# Altium PCB RevA2.PcbDoc (part 1 of 6)
Units mm, origin at the board's own origin, x right, y up, seen from the top; angles counter-clockwise.
Board outline 173 x 171 mm, 2 copper layers (Top Layer, Top, Bottom Layer, Bottom); 316 components, 437 nets, 1976 pads, 936 vias.
Unrouted connection lines stored in the file: 219.
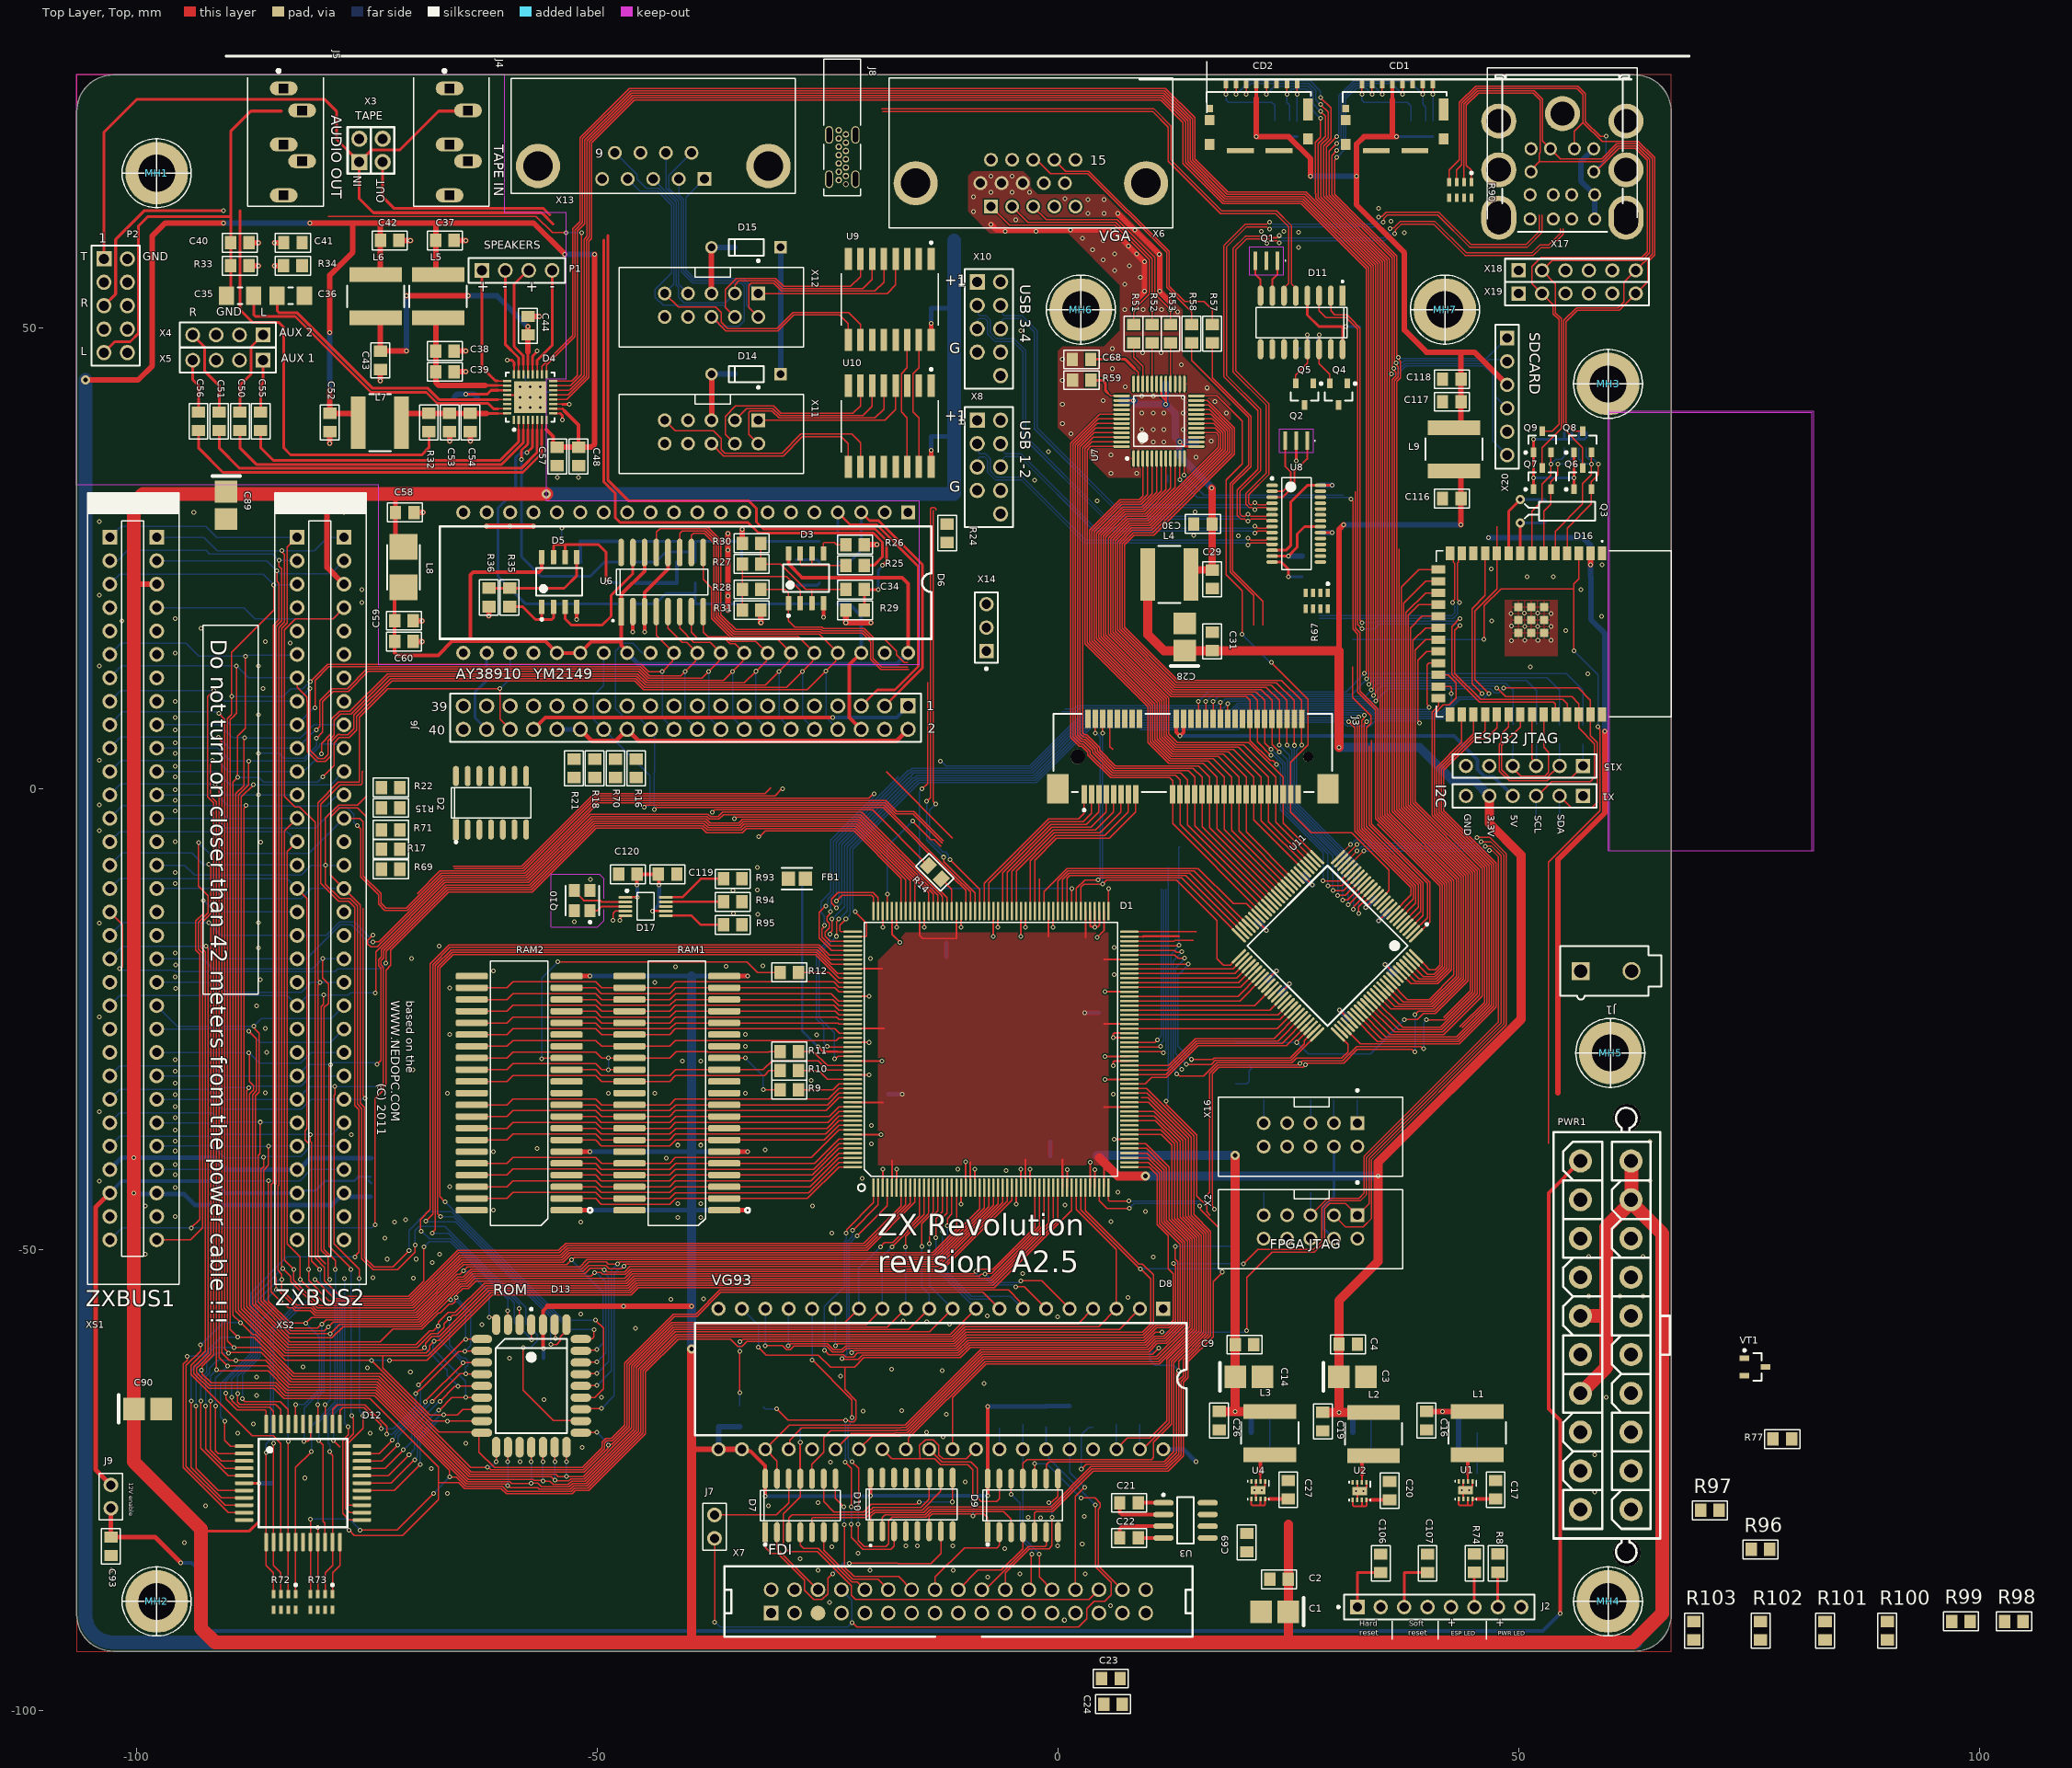
[diagram p0: Top Layer, Top view]
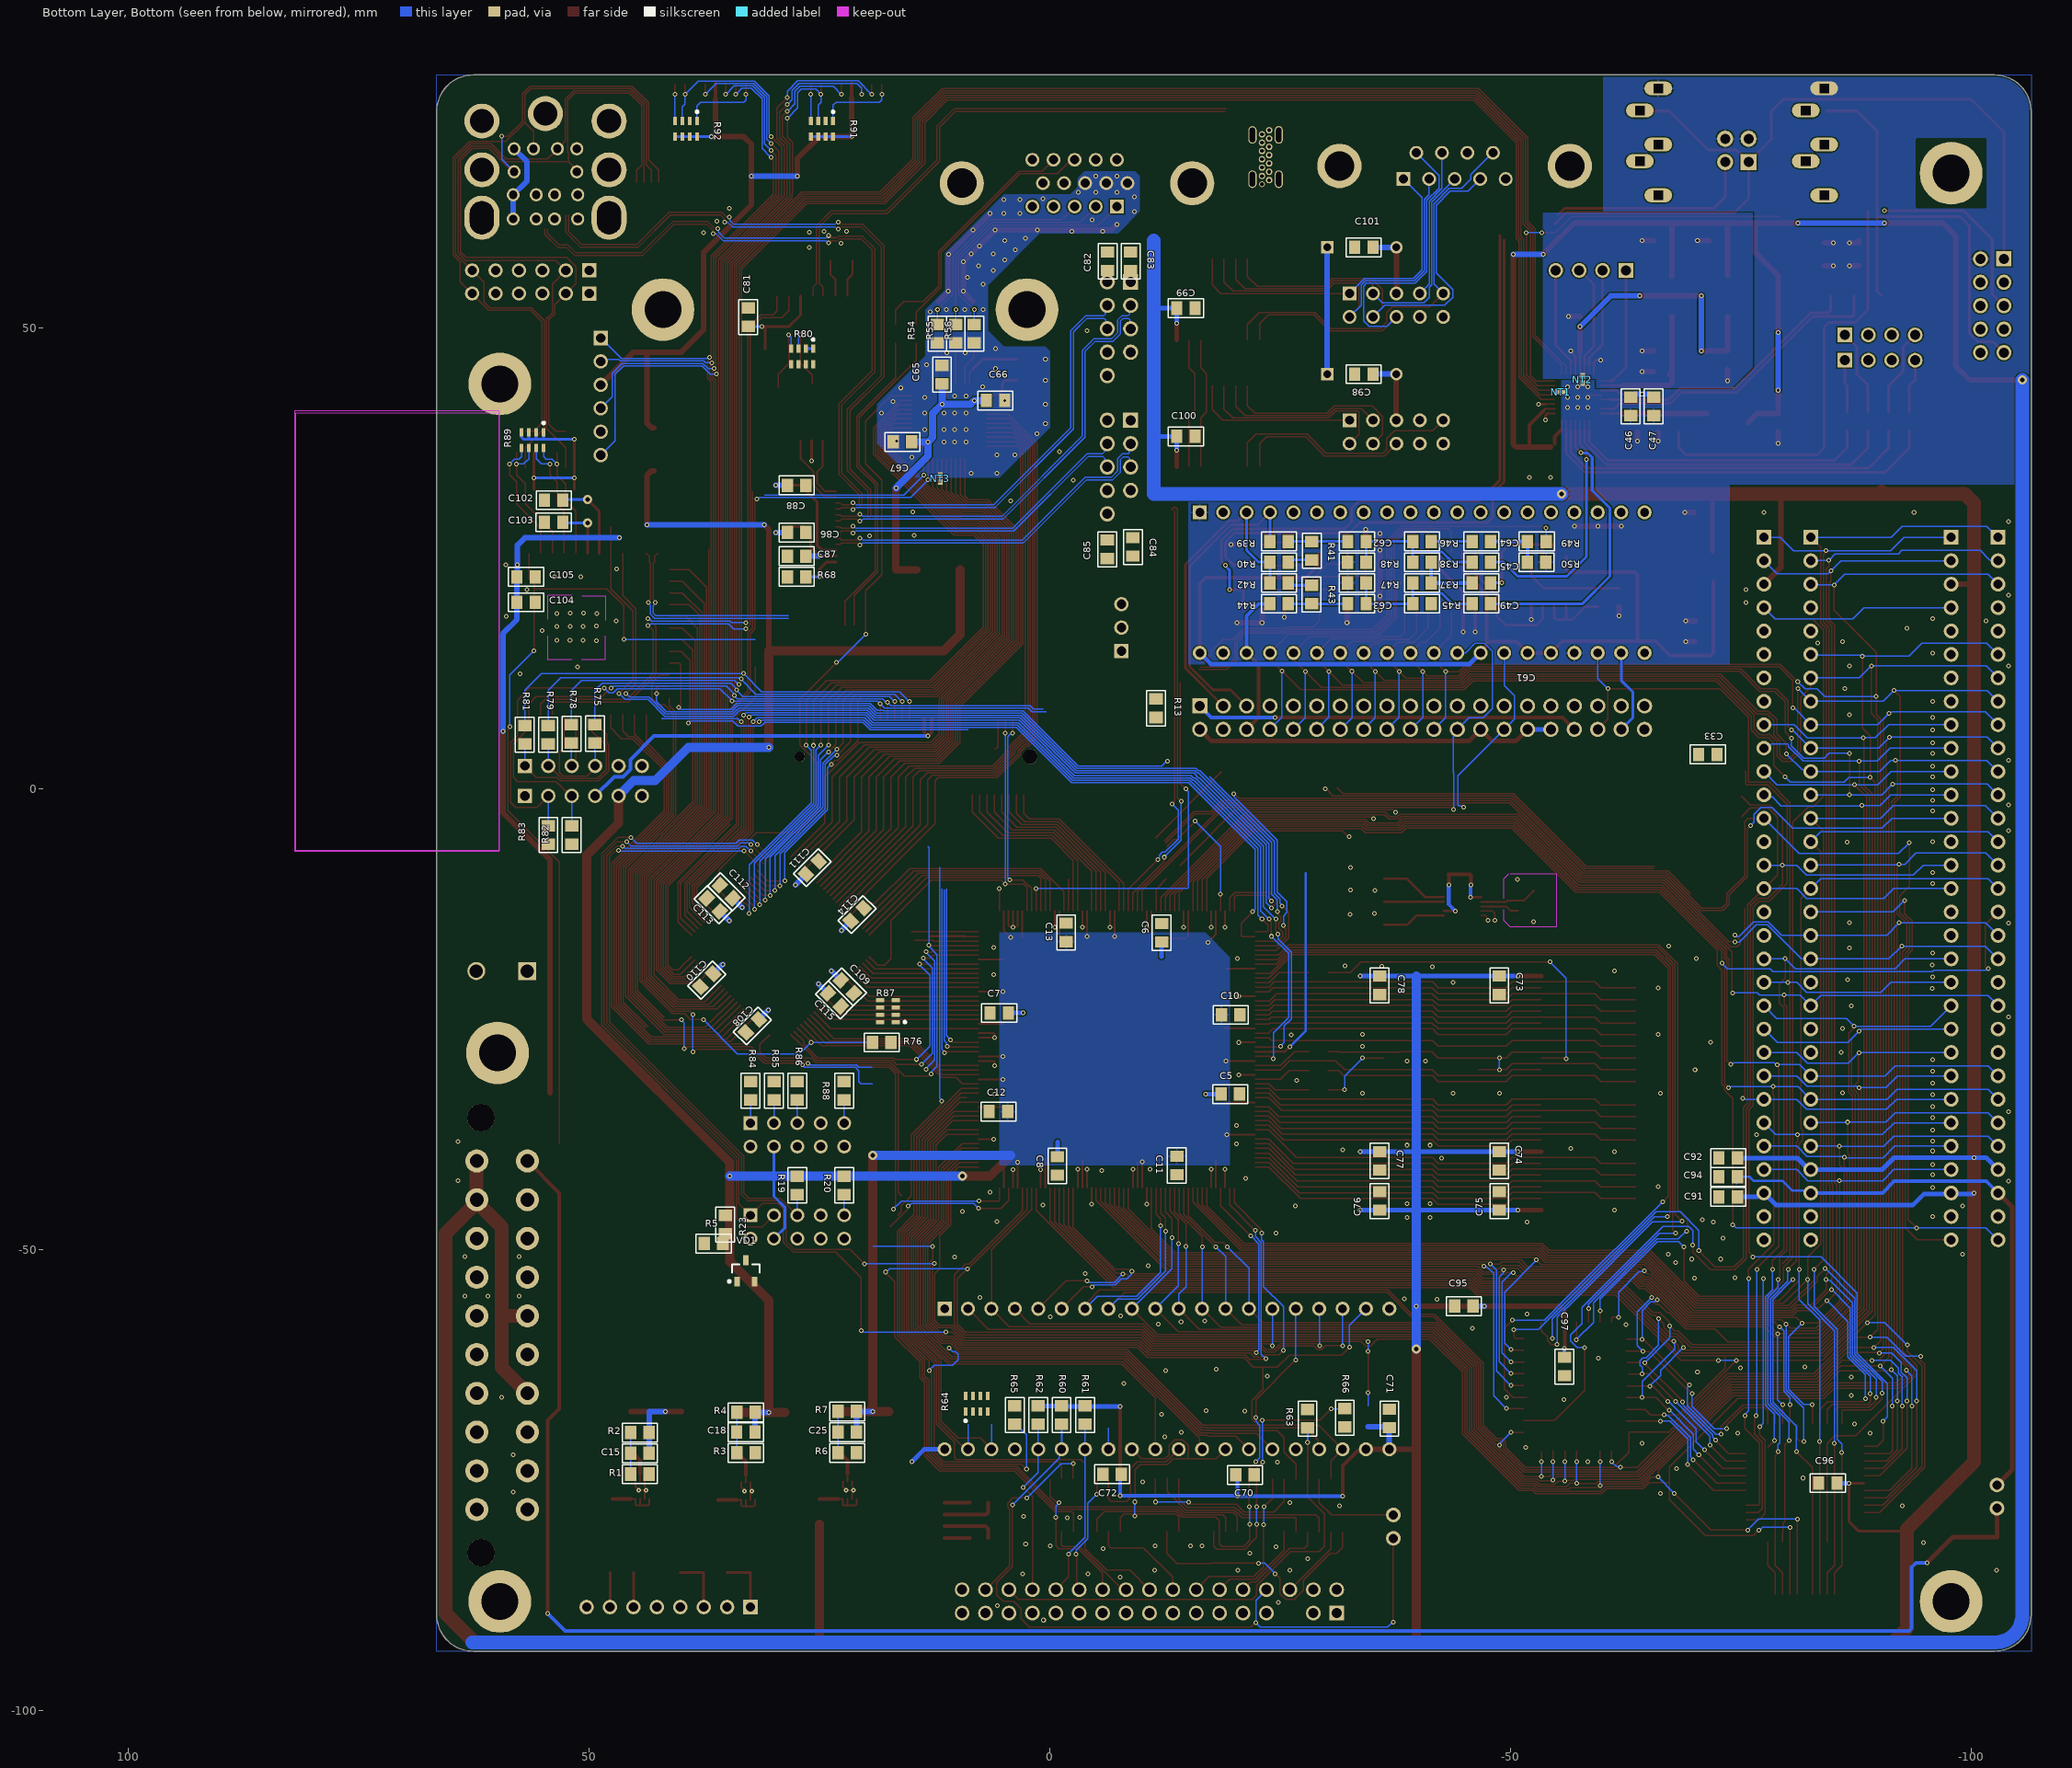
[diagram p1: Bottom Layer, Bottom view, seen from below]

## Layer stack, top to bottom
Top Solder, Top Mask: solder mask 0.0102, Solder Resist, Dk 3.5
Top Layer, Top: signal copper 0.0356
Dielectric 1: dielectric 0.32, FR-4, Dk 4.8
Bottom Layer, Bottom: signal copper 0.0356
Bottom Solder, Bot Mask: solder mask 0.0102, Solder Resist, Dk 3.5

## Board outline
-102.49,-93.54 cw(c-102.49,-89.579) -106.45,-89.579 -106.45,73.5 cw(c-102.49,73.5) -102.49,77.46 -102.488,77.459 62.589,77.459 cw(c62.589,73.499) 66.549,73.499 66.55,73.499 66.55,-89.579 cw(c62.59,-89.579) 62.59,-93.54

## Design rules (kind name [scope] priority, off if disabled: settings)
BoardOutlineClearance [All] p1: gap=0.2 ignorepadtopadclearanceinfootprint=FALSE
Clearance [All] p1: gap=0.127 ignorepadtopadclearanceinfootprint=FALSE except(0.15: Fill-Fill Fill-Poly Fill-Region Poly-Poly Poly-Region Region-Region; 0.2: Arc-SMDPad Arc-THPad Track-SMDPad Track-THPad SMDPad-SMDPad SMDPad-THPad THPad-THPad; 0.25: Arc-Hole Track-Hole SMDPad-Hole THPad-Hole Via-Hole Fill-Hole Poly-Hole Region-Hole Text-Hole)
ComponentClearance [All] p1: gap=0.127 collisioncheckmode=3 verticalgap=0.127 showdistances=TRUE
DiffPairsRouting [All] p1: maxlimit=0.15 minlimit=0.15 mostfreqgap=0.15 toplayer_minwidth=0.15 toplayer_maxwidth=0.15 toplayer_prefwidth=0.15 bottomlayer_minwidth=0.15 bottomlayer_maxwidth=0.15 bottomlayer_prefwidth=0.15 maxuncoupledlength=12.7
Height [All] p1: minheight=0 maxheight=1816.048 prefheight=12.7
HoleSize [All] p1: absolutevalues=TRUE maxlimit=6.3 minlimit=0.3 maxpercent=80.000 minpercent=20.000
HoleToHoleClearance [All] p1: gap=0.25 allowstackedmicrovias=FALSE
MinimumAnnularRing [All] p1: minimumring=0.076
MinimumSolderMaskSliver [All] p1: minsoldermaskwidth=0
PlaneClearance [All] p1: clearance=0.127
PlaneConnect PlaneConnectPowerPads [InPadClass('PowerPads')] p1: planeconnectstyle=Direct reliefexpansion=0.508 reliefentries=4 reliefconductorwidth=0.254 reliefairgap=0.254
PlaneConnect [All] p2: pad.planeconnectstyle=Relief pad.reliefexpansion=0.3 pad.reliefentries=4 pad.reliefconductorwidth=0.25 pad.reliefairgap=0.15 via.planeconnectstyle=Direct via.reliefexpansion=0.3 via.reliefentries=4 via.reliefconductorwidth=0.127 via.reliefairgap=0.127
PolygonConnect PolygonConnectPowerPads [All vs (InPadClass('PowerPads'))] p1: connectstyle=Direct reliefconductorwidth=0.254 reliefentries=4 polygonreliefangle="90 Angle" airgapwidth=0.254
PolygonConnect [All] p2: thpad.connectstyle=Relief thpad.reliefconductorwidth=0.25 thpad.reliefentries=4 thpad.polygonreliefangle="90 Angle" thpad.airgapwidth=0.15 smdpad.connectstyle=Relief smdpad.reliefconductorwidth=0.25 smdpad.reliefentries=4 smdpad.polygonreliefangle="90 Angle" smdpad.airgapwidth=0.15 via.connectstyle=Direct via.reliefconductorwidth=0.127 via.reliefentries=4 via.polygonreliefangle="90 Angle" via.airgapwidth=0.127
RoutingVias [All] p1: holewidth=0.3 width=0.5 viastyle="Through Hole" minholewidth=0.3 minwidth=0.5 maxholewidth=8 maxwidth=8
SMDEntry [All] p1: side=TRUE corner=TRUE anyangle=FALSE
SMDNeckDown [All] p1: percent=80.000
SMDToCorner [All] p1: distance=98425
SMDToPlane [All] p1: distance=393701
SilkToSilkClearance [All] p1: silktosilkclearance=0
SilkToSolderMaskClearance [IsPad] p1: minsilkscreentomaskgap=0.127 clearancetoexposedcopper=TRUE
SolderMaskExpansion [All] p1: expansion=0.05 istentingtop=FALSE
Width PowerBus [InNetClass('PowerBus')] p1: maxlimit=25.4 minlimit=0.2 preferedwidth=0.2 minimp=50.000000 maximp=50.000000 favimp=50.000000
Width [All] p2: maxlimit=25.4 minlimit=0.127 preferedwidth=0.15 bottomlayer_prefwidth=0.127 minimp=50.000000 maximp=50.000000 favimp=50.000000
20 further rules are at their usual default settings.

## Classes and differential pairs
net class PowerBus: 2V5 3V3 5V0 5V0_STBY GND STB_3V3 VCC12 VG93_12V
net class VDAT[0..15]: VDAT0 VDAT1 VDAT2 VDAT3 VDAT4 VDAT5 VDAT6 VDAT7 VDAT8 VDAT9 VDAT10 VDAT11 VDAT12 VDAT13 VDAT14 VDAT15
component class U_PLL: C119 C120 D17 FB1 Q10 R93 R94 R95
net class FPGA_SEL[0..1]: FPGA_SEL0 FPGA_SEL1
net class RD[0..15]: RD0 RD1 RD2 RD3 RD4 RD5 RD6 RD7 RD8 RD9 RD10 RD11 RD12 RD13 RD14 RD15
net class RA[0..9]: RA0 RA1 RA2 RA3 RA4 RA5 RA6 RA7 RA8 RA9
net class U_Memory_Nets: NetRAM1_11 NetRAM1_12 NetRAM1_15 NetRAM1_16 NetRAM1_32 NetRAM2_11 NetRAM2_12 NetRAM2_15 NetRAM2_16 NetRAM2_32
net class "U_AY Amp_Nets": AVDD CHA_3 CHB_3 CHC_3 JDET_3 left_ch1_3 left_ch2_3 left_ch3_3 LOUT_3 LOUT_PH_3 NetC38_1 NetC43_1 NetC45_2 NetC46_1 NetC49_2 NetC50_1 NetC51_1 NetC55_1 NetC56_1 NetC61_1 NetC61_2 NetC62_1 NetC63_1 NetC64_1 NetC64_2 NetD3_7 NetD3_9 NetD3_12 NetD3_13 NetD3_14 NetD3_15 NetD3_16 NetD3_17 NetD3_18 NetD3_19 NetD3_20 NetD3_21 NetD3_39 NetD5_1 NetD5_3 NetD5_5 NetR40_1 NetR42_1 NetU1_20 NetU1_32 NetX7_2 NetX7_5 right_ch1_3 right_ch2_3 right_ch3_3 ROUT_3 ROUT_PH_3 SPK_LN_3 SPK_LP_3 SPK_RN_3 SPK_RP_3 SPKGND
net class U_Gamepads_Nets: GPAD1_BTN_B_11 GPAD1_BTN_C_11 GPAD1_DN_11 GPAD1_LEFT_11 GPAD1_RIGHT_11 GPAD1_UP_11 GPAD2_BTN_B_11 GPAD2_BTN_C_11 GPAD2_DN_11 GPAD2_LEFT_11 GPAD2_RIGHT_11 GPAD2_UP_11 GPAD_SELECT_11 LED1_11 NetC98_2 NetC101_2 NetU4_13 NetU5_13 NetX11_10 NetX12_10
net class TOP_Nets: B\L\K\_\V\I\D\E\O\_1 CLKZ_IN_1 CLKZ_OUT_1 CSROM_1 E\X\T\_\I\N\T\_1 GPIO_0_1 GPIO_1_1 GPIO_2_1 GPIO_3_1 GPIO_4_1 GPIO_5_1 GPIO_6_1 GPIO_7_1 GPIO_8_1 NetD1_139 NetD1_168 NetD1_186 NetD1_189 NetD1_190 NetD2_2 NetD2_4 NetD2_8 NetD2_10 NetD2_11 NetD8_62 NetD8_134 NetJ2_7 NetX2_6 NetX2_7 NetX2_8 R\D\A\T\_\B\_1 R\O\M\P\G\0\_1 RES_1 TDI_FPGA_1
net class U_FDC_Nets: D\I\R\_6 D\S\0\_6 D\S\1\_6 D\S\2\_6 D\S\3\_6 DIR_6 I\P\_6 M\O\T\_6 NetD7_12 NetD13_25 NetD14_12 NetD14_13 NetD14_14 NetD14_15 NetX15_2 NetX15_4 NetX15_5 NetX15_34 R\D\A\T\_6 S\I\D\E\_6 S\T\E\P\_6 T\R\0\0\_6 VG_DS0_6 VG_DS1_6 VG_DS2_6 VG_DS3_6 VG_MOT_6 W\D\_6 W\G\_6 W\P\_6 WG_6
net class U_ESP32_Nets: ADCDAT_12 BCLK_12 DACDAT_12 DACLRC_12 ESP_IO45_12 ESP_IO46_12 KEYB_CLK_PHY_12 KEYB_DAT_PHY_12 MOUS_CLK_PHY_12 MOUS_DAT_PHY_12 NetC102_1 NetC103_1 NetD5_2 NetD5_9 NetD5_10 NetD5_11 NetD5_12 NetD5_13 NetD5_14 NetD5_15 NetD5_16 NetD5_17 NetD5_18 NetD5_19 NetD5_20 NetD5_21 NetD5_22 NetD5_23 NetD5_24 NetD5_25 NetD5_26 NetD5_28 NetD5_29 NetD5_30 NetD5_31 NetD5_38 NetD5_39 NetD16_24 NetQ4_1 NetQ5_1 NetR84_1 NetR85_1 NetR86_1 NetR88_1 NetX16_7 PS2_KEYB_CLK_12 PS2_KEYB_DAT_12 PS2_MOUS_CLK_12 PS2_MOUS_DAT_12
net class "U_CPU ROM_Nets": NetD16_11 NetD16_17 NetD16_33 NetD16_39
net class U_BUS_Nets: NetXS1_A5 NetXS1_A8 NetXS1_A17 NetXS1_A18 NetXS1_B4 NetXS1_B5 NetXS1_B20 NetXS1_B22 NetXS1_B23 NetXS2_A5 NetXS2_A8 NetXS2_A17 NetXS2_A18 NetXS2_A31 NetXS2_B4 NetXS2_B5 NetXS2_B20 NetXS2_B22 NetXS2_B23 NetXS2_B31 VCC12S
net class D[0..7]: D0 D1 D2 D3 D4 D5 D6 D7
net class A[0..15]: A0 A1 A2 A3 A4 A5 A6 A7 A8 A9 A10 A11 A12 A13 A14 A15
net class ROMPG[2..4]: ROMPG2 ROMPG3 ROMPG4
net class DAC_R[0..7]: DAC_R0 DAC_R1 DAC_R2 DAC_R3 DAC_R4 DAC_R5 DAC_R6 DAC_R7
net class DAC_G[0..7]: DAC_G0 DAC_G1 DAC_G2 DAC_G3 DAC_G4 DAC_G5 DAC_G6 DAC_G7
net class DAC_B[0..7]: DAC_B0 DAC_B1 DAC_B2 DAC_B3 DAC_B4 DAC_B5 DAC_B6 DAC_B7
component class U_USB: C81 C82 C83 C84 C85 C86 C87 C88 D11 J8 Q1 Q2 R67 R68 R96 R97 U8 X8 X10
component class "U_Video out": C65 C66 C67 C68 NT3 R51 R52 R53 R54 R55 R56 R57 R58 R59 U7 X6
component class U_Gamepads: C98 C99 C100 C101 D14 D15 R74 U9 U10 X11 X12 X13
component class U_ESP32: C102 C103 C104 C105 C106 C107 D16 Q3 Q4 Q5 Q6 Q7 Q8 Q9 R75 R76 R77 R78 R79 R80 R81 R82 R83 R84 R85 R86 R87 R88 R89 R90 X14 X15 X16 X17 X18 X19
component class U_CPLD: C108 C109 C110 C111 C112 C113 C114 C115 U11
pad class PowerPads: J5-1 J6-1 J7-A1 J7-A12 J7-B1 J7-B12 J7-SH1 J7-SH2 J7-SH3 J7-SH4
component class U_SDCARD: C116 C117 C118 CD1 CD2 L9 R91 R92 X20
component class U_BUS: C89 C90 C91 C92 C93 C94 J9 R69 R70 R71 XS1 XS2
component class U_Tape: C34 D3 J4 R24 R25 R26 R27 R28 R29 R30 R31 X3
component class "U_CPU ROM": C95 C96 C97 D12 D13 R72 R73
component class "U_Power ATX": C1 C2 C3 C4 C5 C6 C7 C8 C9 C10 C11 C12 C13 C14 C15 C16 C17 C18 C19 C20 C21 C22 C23 C24 C25 C26 C27 C28 C29 C30 C31 J1 L1 L2 L3 L4 MH1 MH2 MH3 MH4 MH5 MH6 MH7 PWR1 R1 R2 R3 R4 R5 R6 R7 U1 U2 U3 U4 VD1 VT1
component class U_Memory: C73 C74 C75 C76 C77 C78 RAM1 RAM2
component class TOP: C33 D1 D2 J2 J3 R8 R9 R10 R11 R12 R13 R14 R15 R16 R17 R18 R19 R20 R21 R22 R23 R98 R99 R100 R101 R102 R103 X1 X2
component class U_FDC: C69 C70 C71 C72 D7 D8 D9 D10 J7 R60 R61 R62 R63 R64 R65 R66 X7
component class "U_AY Amp": C35 C36 C37 C38 C39 C40 C41 C42 C43 C44 C45 C46 C47 C48 C49 C50 C51 C52 C53 C54 C55 C56 C57 C58 C59 C60 C61 C62 C63 C64 D4 D5 D6 J5 J6 L5 L6 L7 L8 NT1 NT2 P1 P2 R32 R33 R34 R35 R36 R37 R38 R39 R40 R41 R42 R43 R44 R45 R46 R47 R48 R49 R50 U6 X4 X5
differential pair USB_HOST_8: +USB_HOST_8_p -USB_HOST_8_n
differential pair USB_DEV_8: +USB_DEV_8_p -USB_DEV_8_n
differential pair USB4_8: +USB4_8_p -USB4_8_n
differential pair USB3_8: +USB3_8_p -USB3_8_n
differential pair USB2_8: +USB2_8_p -USB2_8_n
differential pair USB1_8: +USB1_8_p -USB1_8_n
differential pair USB_1: +USB_1_p -USB_1_n

## Components (designator, comment, footprint, x,y, rotation, side; value= is the part's Value field where it differs from the comment)
C1 "EC1210-22uF" AVX-TAJ-B-2_M 23.525,-89.25 r180 top value=22uF
C2 "CC0805-1.5pF" CC0805 24,-85.75 r180 top value=1.5pF
C3 "EC1210-22uF" AVX-TAJ-B-2_M 31.975,-63.775 r0 top value=22uF
C4 "CC0805-1.5pF" CC0805 31.5,-60.25 r0 top value=1.5pF
C5 "CC0805-1.5pF" CC0805 -19.555,-33.109 r180 bottom value=1.5pF
C6 "CC0805-1.5pF" CC0805 -12.1,-15.599 r90 bottom value=1.5pF
C7 "CC0805-1.5pF" CC0805 5.515,-24.303 r0 bottom value=1.5pF
C8 "CC0805-1.5pF" CC0805 -0.8,-40.901 r270 bottom value=1.5pF
C9 "CC0805-1.5pF" CC0805 20.25,-60.275 r0 top value=1.5pF
C10 "CC0805-1.5pF" CC0805 -19.599,-24.5 r180 bottom value=1.5pF
C11 "CC0805-1.5pF" CC0805 -13.75,-40.849 r270 bottom value=1.5pF
C12 "CC0805-1.5pF" CC0805 5.599,-35 r0 bottom value=1.5pF
C13 "CC0805-1.5pF" CC0805 -1.746,-15.563 r90 bottom value=1.5pF
C14 "EC1210-22uF" AVX-TAJ-B-2_M 20.725,-63.775 r0 top value=22uF
C15 "CC0805-1.5pF" CC0805 44.5,-72.075 r180 bottom value=1.5pF
C16 "CC0805-1.5pF" CC0805 40,-68.525 r270 top value=1.5pF
C17 "CC0805-1.5pF" CC0805 47.5,-76.025 r90 top value=1.5pF
C18 "CC0805-1.5pF" CC0805 33,-69.775 r180 bottom value=1.5pF
C19 "CC0805-1.5pF" CC0805 28.75,-68.625 r270 top value=1.5pF
C20 "CC0805-1.5pF" CC0805 36,-76.125 r90 top value=1.5pF
C21 "CC0805-1.5pF" CC0805 7.725,-77.44 r0 top value=1.5pF
C22 "CC0805-1.5pF" CC0805 7.725,-81.25 r0 top value=1.5pF
C23 "CC0805-1.5pF" CC0805 5.75,-96.5 r0 top value=1.5pF
C24 "CC0805-1.5pF" CC0805 5.98,-99.275 r180 top value=1.5pF
C25 "CC0805-1.5pF" CC0805 22,-69.775 r180 bottom value=1.5pF
C26 "CC0805-1.5pF" CC0805 17.5,-68.525 r270 top value=1.5pF
C27 "CC0805-1.5pF" CC0805 25,-76.025 r90 top value=1.5pF
C28 "EC1210-22uF" AVX-TAJ-B-2_M 13.75,16.475 r90 top value=22uF
C29 "CC0805-1.5pF" CC0805 16.75,22.75 r270 top value=1.5pF
C30 "CC0805-1.5pF" CC0805 15.75,28.75 r0 top value=1.5pF
C31 "CC0805-1.5pF" CC0805 16.75,16 r90 top value=1.5pF
C33 "CC0805-1.5pF" CC0805 -71.375,3.75 r180 bottom value=1.5pF
C34 "CC0805-1.5pF" CC0805 -22,21.63 r180 top value=1.5pF
C35 "CC1206-100uF" CAPC3216X190X55ML30T25 -88.725,53.5 r180 top value="100 uF"
C36 "CC1206-100uF" CAPC3216X190X55ML30T25 -83.225,53.5 r0 top value="100 uF"
C37 "CC0805-1.5pF" CC0805 -66.5,59.5 r0 top value=1.5pF
C38 "CC0805-1.5pF" CC0805 -66.5,47.5 r0 top value=1.5pF
C39 "CC0805-1.5pF" CC0805 -66.5,45.25 r0 top value=1.5pF
C40 "CC0805-1.5pF" CC0805 -88.752,59.25 r180 top value=1.5pF
C41 "CC0805-1.5pF" CC0805 -83,59.25 r0 top value=1.5pF
C42 "CC0805-1.5pF" CC0805 -72.5,59.5 r0 top value=1.5pF
C43 "CC0805-1.5pF" CC0805 -73.5,46.5 r270 top value=1.5pF
C44 "CC0805-1.5pF" CC0805 -57.5,50.25 r90 top value=1.5pF
C45 "CC0805-1.5pF" CC0805 -46.801,24.595 r180 bottom value=1.5pF
C46 "CC0805-1.5pF" CC0805 -63,41.5 r270 bottom value=1.5pF
C47 "CC0805-1.5pF" CC0805 -65.5,41.5 r270 bottom value=1.5pF
C48 "CC0805-1.5pF" CC0805 -52,36.074 r270 top value=1.5pF
C49 "CC0805-1.5pF" CC0805 -46.801,20.095 r180 bottom value=1.5pF
C50 "CC0805-1.5pF" CC0805 -88.75,39.89 r270 top value=1.5pF
C51 "CC0805-1.5pF" CC0805 -91,39.89 r270 top value=1.5pF
C52 "CC0805-1.5pF" CC0805 -79,39.75 r270 top value=1.5pF
C53 "CC0805-1.5pF" CC0805 -66,39.75 r270 top value=1.5pF
C54 "CC0805-1.5pF" CC0805 -63.75,39.75 r270 top value=1.5pF
C55 "CC0805-1.5pF" CC0805 -86.5,39.89 r270 top value=1.5pF
C56 "CC0805-1.5pF" CC0805 -93.25,39.89 r270 top value=1.5pF
C57 "CC0805-1.5pF" CC0805 -54.325,36.074 r270 top value=1.5pF
C58 "CC0805-1.5pF" CC0805 -70.86,30 r0 top value=1.5pF
C59 "CC0805-1.5pF" CC0805 -70.954,18.25 r0 top value=1.5pF
C60 "CC0805-1.5pF" CC0805 -70.954,16 r0 top value=1.5pF
C61 "CC0805-1.5pF" CC0805 -46.801,22.345 r180 bottom value=1.5pF
C62 "CC0805-1.5pF" CC0805 -33.301,26.845 r180 bottom value=1.5pF
C63 "CC0805-1.5pF" CC0805 -33.301,20.095 r180 bottom value=1.5pF
C64 "CC0805-1.5pF" CC0805 -46.801,26.845 r0 bottom value=1.5pF
C65 "CC0805-1.5pF" CC0805 11.725,44.945 r90 bottom value=1.5pF
C66 "CC0805-1.5pF" CC0805 5.925,42.145 r180 bottom value=1.5pF
C67 "CC0805-1.5pF" CC0805 16.025,37.645 r0 bottom value=1.5pF
C68 "CC0805-1.5pF" CC0805 2.58,46.595 r180 top value=1.5pF
C69 "CC0805-1.5pF" CC0805 20.5,-81.75 r270 top value=1.5pF
C70 "CC0805-1.5pF" CC0805 -21.151,-74.422 r0 bottom value=1.5pF
C71 "CC0805-1.5pF" CC0805 -36.82,-68.299 r90 bottom value=1.5pF
C72 "CC0805-1.5pF" CC0805 -6.731,-74.34 r0 bottom value=1.5pF
C73 "CC0805-1.5pF" CC0805 -48.75,-21.3 r270 bottom value=1.5pF
C74 "CC0805-1.5pF" CC0805 -48.75,-40.35 r270 bottom value=1.5pF
C75 "CC0805-1.5pF" CC0805 -48.75,-44.7 r90 bottom value=1.5pF
C76 "CC0805-1.5pF" CC0805 -35.75,-44.7 r90 bottom value=1.5pF
C77 "CC0805-1.5pF" CC0805 -35.75,-40.35 r270 bottom value=1.5pF
C78 "CC0805-1.5pF" CC0805 -35.75,-21.3 r270 bottom value=1.5pF
C81 "CC0805-1.5pF" CC0805 32.75,51.18 r90 bottom value=1.5pF
C82 "CC0805-1.5pF" CC0805 -6.25,57.25 r90 bottom value=1.5pF
C83 "CC0805-1.5pF" CC0805 -8.75,57.25 r90 bottom value=1.5pF
C84 "CC0805-1.5pF" CC0805 -9,26.25 r270 bottom value=1.5pF
C85 "CC0805-1.5pF" CC0805 -6.21,26 r270 bottom value=1.5pF
C86 "CC0805-1.5pF" CC0805 27.5,27.811 r180 bottom value=1.5pF
C87 "CC0805-1.5pF" CC0805 27.5,25.25 r0 bottom value=1.5pF
C88 "CC0805-1.5pF" CC0805 27.5,32.931 r180 bottom value=1.5pF
C89 "EC1210-22uF" AVX-TAJ-B-2_M -90.25,30.775 r270 top value=22uF
C90 "EC1210-22uF" AVX-TAJ-B-2_M -98.775,-67.25 r0 top value=22uF
C91 "CC0805-1.5pF" CC0805 -73.583,-44.25 r0 bottom value=1.5pF
C92 "CC0805-1.5pF" CC0805 -73.583,-40.04 r0 bottom value=1.5pF
C93 "CC0805-1.5pF" CC0805 -102.75,-82.151 r270 top value=1.5pF
C94 "CC0805-1.5pF" CC0805 -73.583,-42.09 r0 bottom value=1.5pF
C95 "CC0805-1.5pF" CC0805 -44.899,-56.1 r0 bottom value=1.5pF
C96 "CC0805-1.5pF" CC0805 -84.399,-75.3 r0 bottom value=1.5pF
C97 "CC0805-1.5pF" CC0805 -55.807,-62.66 r270 bottom value=1.5pF
C98 "CC0805-1.5pF" CC0805 -34.04,45 r180 bottom value=1.5pF
C99 "CC0805-1.5pF" CC0805 -14.75,52.155 r180 bottom value=1.5pF
C100 "CC0805-1.5pF" CC0805 -14.75,38.243 r180 bottom value=1.5pF
C101 "CC0805-1.5pF" CC0805 -34.04,58.75 r180 bottom value=1.5pF
C102 "CC0805-1.5pF" CC0805 53.852,31.324 r0 bottom value=1.5pF
C103 "CC0805-1.5pF" CC0805 53.854,28.928 r0 bottom value=1.5pF
C104 "CC0805-1.5pF" CC0805 56.849,20.25 r180 bottom value=1.5pF
C105 "CC0805-1.5pF" CC0805 56.849,23 r180 bottom value=1.5pF
C106 "CC0805-1.5pF" CC0805 35.04,-84 r270 top value=1.5pF
C107 "CC0805-1.5pF" CC0805 40.12,-84 r270 top value=1.5pF
C108 "CC0805-1.5pF" CC0805 32.298,-25.707 r315 bottom value=1.5pF
C109 "CC0805-1.5pF" CC0805 21.985,-21.464 r225 bottom value=1.5pF
C110 "CC0805-1.5pF" CC0805 37.248,-20.757 r315 bottom value=1.5pF
C111 "CC0805-1.5pF" CC0805 25.793,-8.543 r135 bottom value=1.5pF
C112 "CC0805-1.5pF" CC0805 35.127,-11.151 r45 bottom value=1.5pF
C113 "CC0805-1.5pF" CC0805 36.541,-12.566 r45 bottom value=1.5pF
C114 "CC0805-1.5pF" CC0805 20.925,-13.626 r135 bottom value=1.5pF
C115 "CC0805-1.5pF" CC0805 23.399,-22.879 r225 bottom value=1.5pF
C116 "CC0805-1.5pF" CC0805 42.75,31.5 r180 top value=1.5pF
C117 "CC0805-1.5pF" CC0805 42.75,42 r180 top value=1.5pF
C118 "CC0805-1.5pF" CC0805 42.75,44.445 r180 top value=1.5pF
C119 "CC0805-1.5pF" CC0805 -42.349,-9.25 r0 top value=1.5pF
C120 "CC0805-1.5pF" CC0805 -46.651,-9.25 r180 top value=1.5pF
CD1 "105162-0001" 105162-0001 21.8,69.16 r180 top locked
CD2 "105162-0001" 105162-0001 36.55,69.16 r180 top locked
D1 "EP1K50Q208" PQFP208X5 -20,-43.25 r90 top locked
D2 "04" SO14 -61.5,-1.5 r90 top value=74ACT04
D3 "LM358DR" FP-D0008A-MFG -27.325,22.85 r90 top
D4 "WM8960CGEFL/RV" QFN50P500X500X90_HS-33M -57.25,42.5 r90 top
D5 "LM358DR" FP-D0008A-MFG -54.095,22.45 r90 top
D6 "YM2149" DIP40 -16.25,30 r270 top locked
D7 "07" SO14 -27.94,-77.73 r90 top value=74HCT07
D8 "KR1818VG93" DIP40 11.44,-56.39 r270 top locked
D9 "06" SO14 -3.8,-77.72 r90 top value=74HCT06
D10 "138" SO16 -15.865,-77.62 r90 top value=74HCT138
D11 "CH340G" SO16 26.445,50.6 r270 top locked
D12 "Z84C0020FEC" QFP44X8 -88.3,-71.3 r0 top locked
D13 "SST39SF040-70-4C-NHE" MCHP-PLCC-NH32_L -57.13,-64.76 r0 top locked
D14 "BAT46" STM-DO-35-2 -33.28,45 r180 top
D15 "BAT46" STM-DO-35-2 -33.28,58.75 r180 top
D16 "ESP32-S3-WROOM-1" ESP32S3WROOM1 53.812,16.825 r270 top locked
D17 "Si5351A-B-GT" SLAB-MSOP-10_L -44.725,-12.75 r0 top value=SI5351A-B-GT
FB1 "BLM21AG601SN1J" FP-BLM21-0_2-t0_85-e0_5-IPC_A -28.324,-9.75 r180 top
J1 "39-28-1023" MOLX-39-28-1023-2_V 59.5,-19.75 r90 top
J2 "TSW-108-08-G-S" FP-TSW-108-08-G-S-MFG 41.39,-88.75 r0 top